# Altium PCB 400150.PcbDoc (part 3 of 4)
Units mm, origin at the board's own origin, x right, y up, seen from the top; angles counter-clockwise.
Board outline 101.6 x 63.5 mm, 4 copper layers (Top Layer, Mid-Layer 1, Mid-Layer 2, Bottom Layer), stack 1.49 mm thick; 241 components, 183 nets, 1094 pads, 1048 vias.
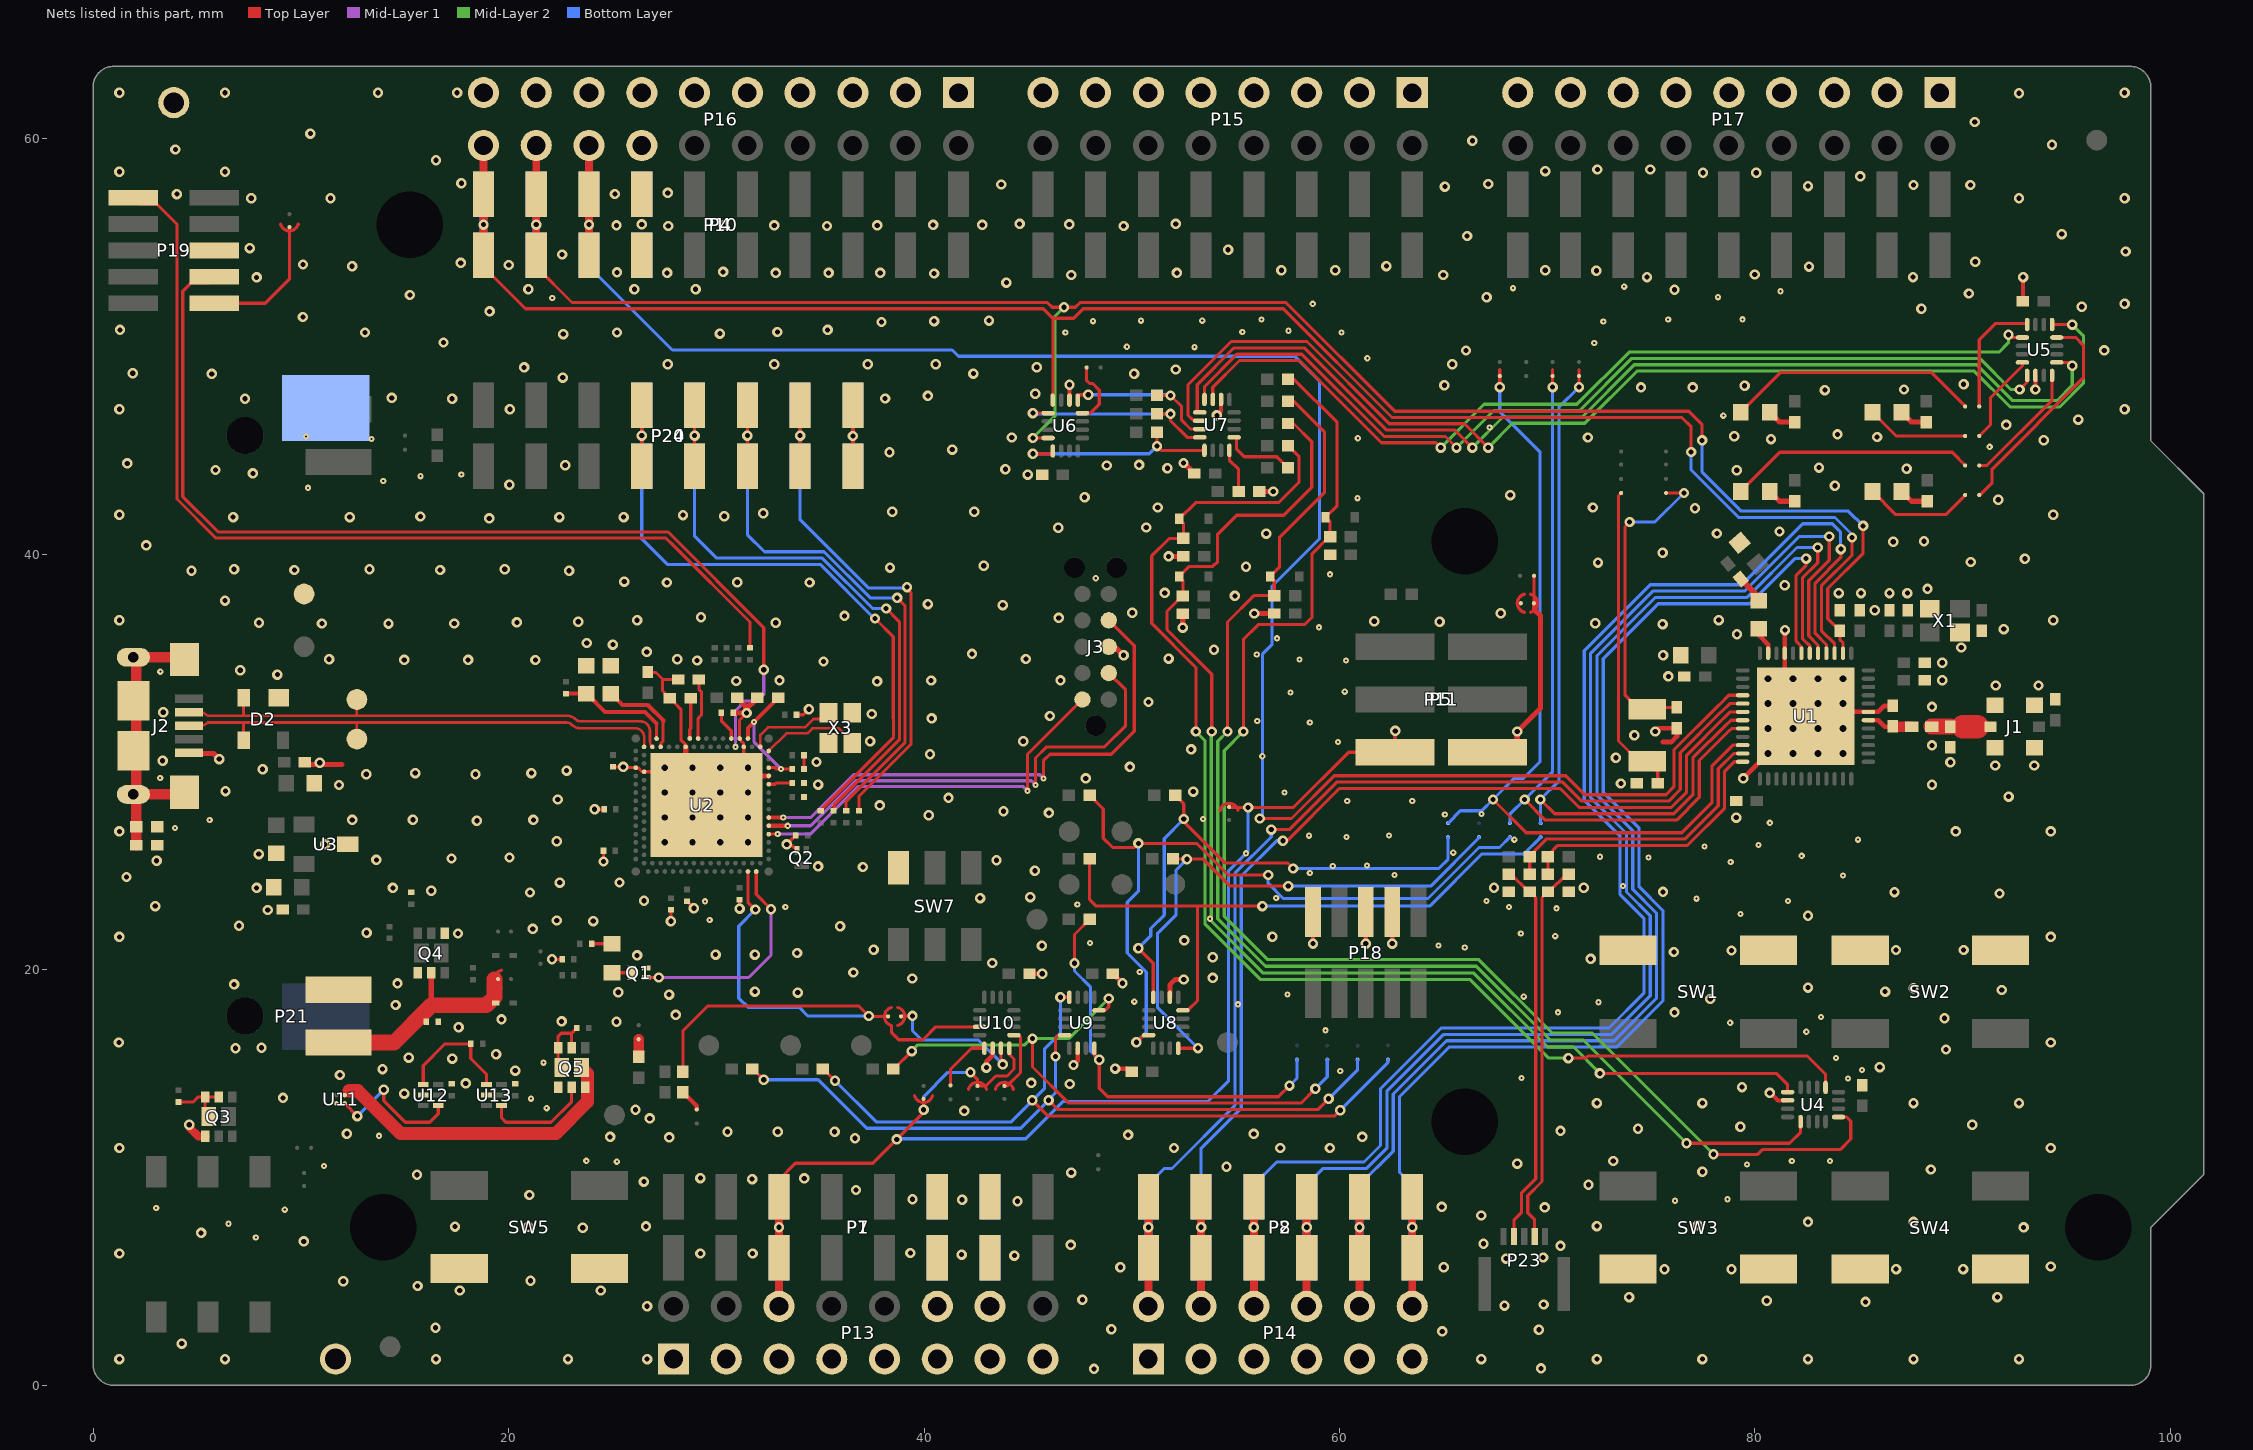
[diagram p5: the nets of this part, all layers, seen from the top]

## Via types
v1: diameter 0.5, hole 0.25, Top Layer to Bottom Layer, tented both sides, 864 vias
v2: diameter 0.3, hole 0.1, Top Layer to Mid-Layer 1, tented both sides, 152 vias
v3: diameter 0.61, hole 0.305, Top Layer to Bottom Layer, tented both sides, 16 vias
v4: diameter 0.66, hole 0.33, Top Layer to Bottom Layer, tented both sides, 16 vias

## Nets (pads, with @x,y where several pads share a name; then routed paths per layer and width w, separated by ;. In a path a pad name is that pad's centre, name@x,y a point inside that pad or via, vN(x,y) a via of type N, cw(c..) or ccw(c..) an arc to the next point about the centre after c; other vN are vias at no path point) (continued)
GND: Bat1.2 C1.2 C2.2 C3.1 C4.2 C5.2 C6.2 C7.2 C8.2 C9.2 C10.1 C11.1 C12.1 C13.2 C14.1 C15.2 C16.1 C17.1 C18.1 C19.1 C20.1 C21.1 C22.2 C23.2 C24.2 C25.2 C26.2 C27.1 C28.2 C29.2 C30.2 C31.2 C32.2 C33.1 C34.1 C35.2 C36.2 C37.2 C38.1 C42.2 C43.1 C44.1 C45.1 C46.1 C47.1 C48.2 C49.1 C50.1 C51.2 C52.2 C53.2 C54.1 C55.1 C56.1 C57.1 D2.1 J1.2 J2.5 J3.3 P1.6 P1.7 P4.7 P7.6 P7.7 P10.7 P13.1 P13.3 P13.5 P13.7 P13.9 P13.11 P13.12 P13.13 P13.14 P13.15 P14.1 P14.3 P14.5 P14.7 P14.9 P14.11 P15.1 P15.3 P15.5 P15.7 P15.9 P15.11 P15.13 P15.15 P16.1 P16.3 P16.5 P16.7 P16.9 P16.11 P16.13 P16.14 P16.15 P16.17 P16.19 P17.1 P17.3 P17.5 P17.7 P17.9 P17.11 P17.13 P17.15 P17.17 P18.3 P18.5 P18.9 P19.5 P21.1 Q1.2 Q2.2 Q3.1 Q4.1 Q4.4 Q5.1 R8.2 R10.1 R12.1 R22.1 R38.1 R45.2 R50.2 R51.2 SB18.1 SW1.1 SW2.1 SW3.1 SW4.1 SW5.1 SW7.4 TP4.1 TP12.1 TP13.1 U1.31 U1.45 U1.49 U2.104 U2.A25 U2.B12 U2.B26 U2.G1 U2.H2 U2.J31 U3.3 U4.6 U5.6 U6.6 U7.6 U8.6 U9.6 U10.6 U11.B1 U12.2 U13.2 X1.2 X1.4 X3.2 X3.4 | length 63.2
  Top Layer w0.152: v1(22.092,20.501) R45.2@22.578,20.501 ; v1(24.144,27.73) C23.2@24.598,27.73 ; v1@24.572,25.156 C24.2@24.572,25.73 ; C22.2@25.025,29.767 v1@25.481,29.767 ; v1@25.518,29.73 U2.G1@26.124,29.73 26.138,29.716 26.248,29.716 26.42,29.544 26.51,29.544 U2.H2@26.524,29.53 27.924,29.53 28.524,28.93 U2.104@29.524,27.93 30.924,29.33 31.324,29.73 U2.B26@31.324,30.73 31.314,30.74 31.314,30.897 31.211,31 31.211,31.014 31.138,31.086 31.138,31.116 U2.A25@31.124,31.13 31.124,32.023 v1(31.459,32.358) ; C33.1@26.709,34.333 26.731,34.311 27.098,34.311 27.412,33.997 ; v1(27.817,22.339) 27.82,22.341 R10.1@27.82,22.88 ; C34.1@28.164,33.97 27.439,33.97 27.412,33.997 ; U2.B12@28.524,30.73 28.51,30.744 28.51,30.853 28.296,31.067 28.296,32.543 27.991,32.848 27.991,32.898 27.817,33.072 C38.1@27.767,33.072 27.717,33.072 27.543,33.246 27.543,33.296 27.412,33.427 27.412,33.997 ; C25.2@28.593,23.293 28.608,23.293 28.667,23.234 28.667,23.219 v1(28.922,22.964) ; v1(31.124,22.945) C29.2@31.124,23.368 ; R22.1@33.824,26.468 33.824,26.453 33.765,26.394 33.75,26.394 v1(33.389,26.032) 33.455,25.966 33.664,25.966 33.76,25.87 33.835,25.87 33.884,25.821 Q2.2@33.884,25.746 ; C32.2@33.861,32.276 34.191,32.276 v1(34.458,32.543) ; C28.2@34.225,29.658 C31.2@34.225,30.326
  Top Layer w0.203: U6.6@47.003,47.422 v1(47.003,48.158) ; v1(54.1,46.685) 54.3,46.885 U7.6@54.3,47.453 ; v1(58.725,21.26) P18.9@58.725,22.772 ; v1(61.265,21.26) P18.5@61.265,22.772 ; v1(62.535,21.26) P18.3@62.535,22.772 ; v1(80.713,14.072) 80.741,14.072 81.1,13.713 U4.6@81.57,13.713 ; C45.1@92.896,52.172 v1@92.896,53.331 ; v1(93.497,47.93) 93.501,47.933 U5.6@93.501,48.61
  Top Layer w0.229: v1(43.002,15.291) 43.002,15.575 43.281,15.854 43.281,16.201 U10.6@43.304,16.225 ; C55.1@45.077,19.812 v1(45.695,19.812) ; v1(47.193,15.418) 47.396,15.621 U9.6@47.396,16.225 ; C54.1@49.09,19.812 49.094,19.816 v1(49.555,19.355) ; v1(49.2,15.24) 49.784,15.24 49.936,15.088 C14.1@49.995,15.088 ; U8.6@51.838,18.675 51.838,19.275 52.095,19.533 v1(52.502,19.533) ; v1(75.2,31.467) 75.36,31.627 C11.1@76.241,31.627 76.241,31.23 75.969,30.959 75.569,30.959 ; v1(79.438,29.211) 79.438,29.214 v4(80.635,30.411) U1.49@82.435,32.211 ; U1.49@81.435,34.411 U1.45@81.435,35.236 v1@81.435,36.352 ; U1.49@83.052,32.414 85.934,32.414 86.221,32.701 C3.1@86.634,32.701
  Top Layer w0.254: J2.5@4.746,30.44 4.746,30.406 5.803,30.406 v1(6.071,30.139) ; C21.1@10.193,29.987 10.193,29.886 11.966,29.886 ; U2.104@28.524,28.93 U2.B12@28.524,30.73 ; C37.2@30.815,32.376 30.815,32.366 30.823,32.358 v1(31.459,32.358) ; U2.104@30.924,29.33 U2.J31@32.524,29.33 ; C26.2@31.018,33.092 31.068,33.092 31.191,32.969 31.191,32.919 31.413,32.696 31.413,32.404 v1(31.459,32.358) ; C27.1@31.982,33.092 31.932,33.092 31.809,32.969 31.809,32.919 31.506,32.616 31.506,32.405 v1(31.459,32.358) ; J3.3@48.895,35.55 48.997,35.448 49.288,35.448 49.601,35.135 v1(49.606,35.135) ; v1(51.773,39.898) C48.2@52.484,39.898 ; v1(52.459,36.469) 52.459,37.127 C49.1@52.461,37.129 ; v1(52.492,44.393) 52.51,44.393 C47.1@53.018,43.885 ; v1(55.898,37.147) C50.1@56.861,37.147 ; R38.1@56.143,43.022 v1(56.81,43.022)
  Top Layer w0.381: v1(4.634,12.539) 4.634,12.412 5.071,11.975 Q3.1@5.406,11.975
  other v1: 48.184,0.787 69.698,0.813 1.27,1.26 6.35,1.26 16.51,1.26 22.86,1.26 26.67,1.26 66.827,1.26 72.39,1.26 77.47,1.26 82.55,1.26 87.63,1.26 92.71,1.26 4.267,2.007 64.948,2.591 69.596,2.667 49.022,2.692 16.485,2.769 26.67,3.8 67.945,3.835 69.825,3.886 85.319,4.013 80.569,4.064 47.625,4.115 73.939,4.242 91.669,4.242 17.653,4.562 24.435,4.562 15.621,4.775 12.04,5.004 21.057,5.029 75.642,5.581 78.867,5.581 86.792,5.592 90.018,5.592 49.454,5.679 65.017,5.679 94.234,5.715 68.021,6.096 69.799,6.147 44.348,6.238 41.808,6.289 1.27,6.34 29.235,6.34 31.75,6.34 39.345,6.365 70.637,6.706 47.066,6.756 66.929,6.807 10.142,6.926 5.203,7.336 23.571,7.584 92.928,7.598 20.951,7.628 17.424,7.635 26.619,7.645 72.39,7.661 77.254,7.709 82.55,7.864 87.63,7.864 66.827,8.169 69.875,8.56 64.922,8.585 44.501,8.854 41.834,8.931 39.446,8.956 21.006,9.159 36.728,9.398 71.984,9.652 26.518,9.804 31.725,9.921 34.239,9.957 29.235,9.972 15.596,10.135 47.092,10.236 77.47,10.278 88.465,10.386 54.559,10.516 68.555,10.668 73.177,10.795 1.27,11.42 52.032,11.42 57.15,11.42 59.538,11.42 94.234,11.42 36.678,11.887 27.738,11.93 24.891,11.956 61.098,11.956 49.823,12.051 55.873,12.099 12.221,12.106 30.541,12.2 32.96,12.2 35.697,12.2 70.637,12.243 74.371,12.344 79.299,12.446 90.458,12.537 26.801,12.844 41.935,13.208 26.111,13.259 72.39,13.579 77.47,13.579 87.63,13.579 92.71,13.579 9.144,13.832 14.98,14.037 79.375,14.351 47.015,14.503 17.938,14.528 45.161,14.554 11.883,14.936 20.32,15.144 13.935,15.216 86.004,15.316 17.29,15.722 15.193,15.774 19.402,15.93 89.194,16.162 6.858,16.225 8.108,16.241 1.245,16.5 94.234,16.5 17.596,17.235 22.553,17.512 25.196,17.501 19.66,17.612 89.12,17.668 28.053,17.828 76.124,17.95 14.564,18.303 77.851,18.593 27.731,18.805 33.924,18.902 25.279,18.919 31.858,18.948 86.263,18.949 91.881,19.023 87.63,19.116 82.55,19.141 6.792,19.294 14.656,19.345 39.436,19.58 53.899,19.609 36.602,19.869 43.289,20.326 72.085,20.523 53.899,20.599 26.189,20.69 29.967,20.729 31.858,20.729 33.891,20.807 76.098,20.853 78.867,20.93 37.572,20.965 86.789,20.948 90.04,20.948 45.672,21.156 52.527,21.412 1.27,21.58 56.769,21.59 94.234,21.58 17.566,21.748 13.17,21.782 21.166,21.966 35.961,22.097 7.026,22.12 24.076,22.343 22.323,22.371 82.55,22.596 8.407,22.875 2.999,23.063 26.52,23.317 42.701,23.45 45.11,23.495 91.772,23.669 21.036,23.718 75.573,23.749 86.716,23.739 16.281,23.802 14.433,23.938 7.874,23.942 67.437,23.952 71.755,23.952 22.467,24.193 25.342,24.202 1.611,24.467 45.339,24.765 37.059,24.946 34.9,24.978 24.572,25.213 3.058,25.245 13.638,25.287 43.489,25.272 17.257,25.357 20.047,25.405 7.976,25.568 11.171,26.032 22.323,26.19 1.27,26.66 89.662,26.66 94.234,26.66 18.475,27.175 12.473,27.213 21.196,27.213 15.399,27.225 79.099,27.324 40.229,27.434 46.012,27.549 43.824,27.627 37.869,27.91 22.367,28.194 41.176,28.274 92.209,28.337 52.955,28.576 6.375,28.6 11.84,28.895 34.9,28.914 88.519,28.906 73.546,28.963 47.788,29.211 13.147,29.411 18.412,29.411 15.512,29.466 21.102,29.466 22.797,29.587 8.16,29.652 25.518,29.765 49.91,29.765 91.567,29.835 93.447,29.835 10.915,29.964 34.824,30.003 89.408,29.987 3.348,30.061 73.304,30.201 40.287,30.376 52.857,30.607 88.519,30.8 37.407,31 44.781,31.004 74.193,31.293 40.367,32.098 46.06,32.216 37.488,32.31 3.375,32.391 88.519,32.654 50.805,32.89 91.589,33.684 93.647,33.684 37.74,33.882 30.958,33.902 33.043,33.928 40.343,33.926 46.571,33.928 89.013,33.938 75.831,34.122 8.872,34.206 7.087,34.417 89.013,34.777 35.161,34.839 29.078,34.887 14.98,34.914 18.054,34.914 21.293,34.91 11.365,34.95 28.124,34.95 44.905,34.959 51.773,34.976 75.577,35.138 42.309,35.205 26.656,35.3 53.957,35.408 89.928,35.513 25.025,35.65 23.768,35.727 79.133,36.153 81.444,36.352 91.973,36.398 75.551,36.64 14.224,36.664 11.014,36.668 17.39,36.668 72.314,36.678 7.986,36.704 32.864,36.704 20.403,36.721 23.353,36.747 64.821,36.754 61.671,36.779 1.27,36.82 26.189,36.82 78.257,36.83 94.361,36.82 46.484,36.936 29.262,36.964 36.174,37.034 67.759,37.16 50.022,37.186 85.762,37.309 43.79,37.551 40.185,37.599 6.35,37.77 54.966,37.998 51.587,38.139 84.035,38.13 85.102,38.13 86.473,38.13 87.337,38.13 88.302,38.333 81.432,38.506 27.625,38.639 34.492,38.639 31.014,38.651 25.572,38.684 4.739,39.207 22.914,39.207 9.691,39.242 16.708,39.242 6.792,39.276 13.309,39.276 19.815,39.276 38.362,39.36 55.499,39.395 42.875,39.444 72.441,39.599 90.385,39.628 92.992,39.783 75.551,40.069 2.565,40.427 86.651,40.603 88.138,40.63 56.472,40.996 78.168,41 81.178,41.097 46.464,41.275 50.698,41.29 19.072,41.725 6.742,41.79 12.361,41.79 22.447,41.79 25.54,41.79 15.758,41.817 30.386,41.834 28.396,41.887 1.27,41.9 94.361,41.9 32.26,41.976 38.468,42.043 42.42,42.043 77.114,42.215 51.248,42.254 72.199,42.254 91.71,42.621 47.729,42.748 68.216,42.85 83.845,43.297 20.041,43.348 44.991,43.835 7.696,43.891 79.121,44.044 5.893,44.059 43.917,44.094 87.3,44.12 51.714,44.145 83.083,44.171 48.796,44.272 22.733,44.287 50.351,44.3 1.646,44.373 38.339,44.912 41.362,45.038 93.896,45.491 80.772,45.542 44.221,45.618 71.958,45.618 85.877,45.644 79.006,45.683 83.973,45.771 92.096,46.227 95.56,46.483 1.27,46.98 20.066,46.98 97.79,46.98 7.315,47.488 17.283,47.488 38.125,47.498 14.383,47.525 40.185,47.623 45.356,47.729 83.363,47.904 87.173,47.93 74.516,48.031 77.005,48.031 79.502,48.108 65.049,48.133 90.043,48.184 22.606,48.504 5.715,48.682 42.377,48.696 50.114,48.692 1.908,48.713 52.121,48.895 20.752,48.997 45.428,49.002 27.661,49.149 32.791,49.149 37.287,49.149 40.564,49.149 65.43,49.149 66.091,49.809 96.814,49.815 16.867,50.192 22.631,50.597 30.175,50.622 13.09,50.673 25.222,50.673 32.944,50.698 1.295,50.8 35.357,50.8 37.955,51.181 40.488,51.222 43.126,51.246 10.101,51.419 19.088,51.69 88.011,51.816 95.728,51.918 97.79,52.06 67.081,52.375 15.254,52.482 90.297,52.553 76.124,52.73 20.955,52.756 26.06,52.756 29.007,52.756 43.967,53.076 7.874,53.33 74.803,53.34 87.605,53.34 92.905,53.34 47.092,53.442 64.999,53.442 79.985,53.467 40.488,53.518 27.635,53.543 32.868,53.543 35.408,53.543 37.897,53.543 52.172,53.543 25.222,53.569 30.328,53.594 72.365,53.645 57.201,53.67 59.792,53.67 69.901,53.67 82.601,53.848 12.471,53.863 62.255,53.873 20.015,53.924 10.109,53.95 17.704,54.026 90.602,54.077 22.581,54.432 97.841,54.575 54.635,54.661 7.544,54.737 66.142,55.321 94.768,55.411 27.686,55.804 35.331,55.804 49.606,55.804 25.197,55.829 30.328,55.829 32.791,55.829 37.744,55.829 40.437,55.855 42.799,55.855 26.416,55.88 46.99,55.88 44.602,55.905 52.121,55.905 7.62,57.14 11.43,57.14 92.71,57.14 97.79,57.14 4.037,57.335 25.121,57.343 27.661,57.394 65.075,57.699 82.55,57.724 87.63,57.775 90.368,57.775 43.713,57.8 67.158,57.826 17.729,57.861 85.065,58.191 77.495,58.369 80.061,58.369 1.27,58.41 6.35,58.41 69.901,58.445 72.415,58.522 74.955,58.522 16.51,58.969 3.962,59.487 94.296,59.715 66.396,59.908 10.465,60.249 90.576,60.808 92.71,62.194 1.27,62.22 6.35,62.22 13.716,62.22 17.526,62.22 97.79,62.22
  other v2: 7.834,7.117 6.52,7.775 9.226,8.453 3.037,8.534 76.153,8.88 78.683,8.953 11.123,10.554 79.61,10.627 25.215,10.762 23.745,10.802 81.773,10.789 83.612,10.789 13.768,12.006 21.836,13.336 21.08,13.794 84.48,14.771 68.758,14.793 60.035,15.12 85.153,15.179 21.688,15.529 83.904,15.748 82.473,17.014 59.328,17.085 78.805,17.449 83.177,17.73 70.518,17.95 55.116,18.334 72.47,18.435 50.124,18.465 68.871,18.704 57.495,18.811 50.383,19.896 66.03,21.067 64.767,21.173 47.99,21.284 70.385,21.617 68.727,21.745 29.683,22.397 53.765,22.457 79.301,22.681 70.444,22.957 33.323,23.019 68.156,23.019 47.378,23.144 29.462,23.293 67.078,23.316 81.583,23.316 77.188,23.42 56.951,23.45 73.645,24.036 84.235,24.536 62.654,24.566 58.572,24.662 59.675,24.992 61.321,25.022 78.83,25.192 74.878,25.408 72.536,25.441 82.247,25.486 55.503,25.603 65.474,25.637 77.571,25.932 80.174,26.011 68.416,26.263 84.958,26.263 60.337,26.394 58.532,26.453 62.384,26.468 3.94,26.823 80.713,27.074 5.615,27.213 53.43,27.255 65.071,27.471 66.83,27.497 60.374,28.118 63.5,28.128 57.353,28.53 3.232,29.225 56.286,30.276 59.933,30.97 58.572,31.904 56.04,31.973 57.645,33.348 60.253,33.387 3.237,34.348 60.315,34.884 58.07,34.931 56.016,35.175 56.994,35.954 59.013,36.483 48.266,38.845 59.548,39.034 60.861,42.699 10.353,43.198 13.971,43.524 15.758,43.76 17.729,43.84 91.298,45.172 13.4,45.555 60.884,45.583 10.245,45.668 67.23,46.098 78.478,46.671 61.338,49.436 53.018,49.967 49.764,49.989 72.263,50.175 46.803,50.679 60.092,50.679 55.322,50.698 57.551,50.76 72.698,51.203 48.136,51.222 50.444,51.246 53.393,51.246 56.244,51.307 75.822,51.307 79.401,51.308 58.712,52.055 22.104,52.335 78.224,52.375 81.229,52.659 68.35,52.808 73.704,52.881
  other v3: 27.524,26.13 28.858,26.13 30.191,26.13 31.524,26.13 27.524,27.33 28.858,27.33 30.191,27.33 31.524,27.33 27.524,28.53 28.858,28.53 30.191,28.53 31.524,28.53 27.524,29.73 28.858,29.73 30.191,29.73 31.524,29.73
  other v4: 81.835,30.411 83.035,30.411 84.235,30.411 80.635,31.611 81.835,31.611 83.035,31.611 84.235,31.611 80.635,32.811 81.835,32.811 83.035,32.811 84.235,32.811 80.635,34.011 81.835,34.011 83.035,34.011 84.235,34.011
IMCU_BOOT: R55.2 SB45.2 U2.AL27 U10.3 | length 30.8
  Top Layer w0.152: R55.2@28.396,15.101 28.396,17.062 29.589,18.255 36.86,18.255 v1(37.34,17.775) v1@37.36,17.755 ; U2.AL27@31.524,24.73 31.524,23.259 v1(31.882,22.901) ; v1@37.407,17.708 v1@37.36,17.755 ; SB45.2@38.27,17.755 38.096,17.755 v1@37.36,17.755 ; 38.43,17.324 38.43,16.985 38.783,16.632 39.949,16.632 40.567,17.25 U10.3@42.679,17.25
  Bottom Layer w0.152: v1(31.882,22.901) 31.082,22.1 31.082,18.635 31.53,18.186 34.001,18.186 34.412,17.775 v1(37.34,17.775)
IMCU_LED: Q1.1 U2.AL29 | length 10.8
  Top Layer w0.152: Q1.1@26.628,19.628 v1(27.232,19.628) ; U2.AL29@31.924,24.73 31.924,23.626 v1(32.634,22.916)
  Mid-Layer 1 w0.152: v1(27.232,19.628) 31.557,19.628 32.634,20.705 v1(32.634,22.916)
IMCU_N: D2.2 J2.2 TP2.1 U2.B4 | length 25
  Top Layer w0.125: J2.2@4.619,32.39 5.126,32.39 cw(c5.126,31.835) 5.519,32.227 ; 5.519,32.227 7.244,32.227 ; D2.2@7.244,33.095 7.244,32.227 ; TP2.1@12.7,33.01 12.7,32.227 ; U2.B4@26.924,30.75 U2.B4@26.924,30.73 cw(c27.202,31.007) 26.809,31.007 26.809,31.495 ccw(c26.349,31.495) 26.349,31.955 23.434,31.955 cw(c23.434,32.187) 23.271,32.023 ccw(c22.778,31.53) 22.778,32.227 12.7,32.227 ; 7.244,32.227 12.7,32.227
IMCU_P: D2.3 J2.3 TP1.1 U2.B2 | length 24.4
  Top Layer w0.125: J2.3@4.619,31.74 5.126,31.74 ccw(c5.126,32.295) 5.519,31.902 7.244,31.902 ; D2.3@7.244,31.045 7.244,31.902 ; TP1.1@12.7,31.105 12.7,31.902 ; U2.B2@26.524,30.73 26.524,31.084 cw(c26.674,31.083) 26.525,31.095 ccw(c26.124,31.13) 26.525,31.165 cw(c26.674,31.177) 26.524,31.176 ; 26.524,31.176 26.524,31.204 ccw(c26.099,31.204) 26.099,31.63 23.435,31.63 cw(c23.435,32.188) 23.041,31.793 ccw(c22.778,31.53) 22.778,31.902 12.7,31.902 ; 7.244,31.902 12.7,31.902
IMCU_RESET: J3.10 U2.AC31 | length 19
  Top Layer w0.152: U2.AC31@32.524,26.53 v2(32.955,26.53) ; v2(44.983,28.614) 44.983,30.368 J3.10@47.625,33.01
  Mid-Layer 1 w0.152: v2(32.955,26.53) 34.533,26.53 36.817,28.814 44.783,28.814 v2(44.983,28.614)
IMCU_SWDCLK: J3.4 U2.W31 | length 25.8
  Top Layer w0.152: v2(45.745,29.211) 45.745,30.052 46.067,30.374 49.016,30.374 50.117,31.474 50.117,35.598 J3.4@48.895,36.82
  Top Layer w0.2: U2.W31@32.524,27.33 v2(33.222,27.33)
  Mid-Layer 1 w0.152: v2(33.222,27.33) 34.549,27.33 36.608,29.389 45.568,29.389 v2(45.745,29.211)
IMCU_SWDIO: J3.2 U2.AA31 | length 23
  Top Layer w0.152: v2(45.369,28.898) 45.369,30.195 45.904,30.73 48.685,30.73 49.702,31.747 49.702,33.473 J3.2@48.895,34.28
  Top Layer w0.2: U2.AA31@32.524,26.93 v2(33.44,26.93) v2@33.477,26.93
  Mid-Layer 1 w0.152: v2(33.44,26.93) 34.541,26.93 36.706,29.096 45.171,29.096 v2(45.369,28.898)
INT_EXT: R31.1 U6.5 U7.11 | length 7.8
  Top Layer w0.152: U6.5@47.403,47.422 47.403,47.58 47.498,47.676 v1(47.904,47.676) ; R31.1@51.214,47.645 v1(51.865,47.645) 52.399,47.111 52.399,46.457 52.827,46.028 U7.11@53.275,46.028
  Bottom Layer w0.152: v1(47.904,47.676) 51.834,47.676 v1(51.865,47.645)
LED1': SB5.1 U5.16 | length 5.8
  Top Layer w0.152: SB5.1@90.792,47.117 90.792,50.33 91.567,51.105 U5.16@93.091,51.105
LED1_EXT: U5.1 U7.7 | length 44.3
  Top Layer w0.152: U7.7@53.9,47.453 53.9,48.041 55.186,49.327 58.057,49.327 62.019,45.364 64.643,45.364 v1(64.872,45.136) ; v1(92.201,50.571) 92.337,50.435 U5.1@92.876,50.435
  Mid-Layer 2 w0.152: v1(64.872,45.136) 66.954,47.219 71.425,47.219 73.939,49.733 91.745,49.733 92.196,50.184 v1@92.196,50.522
LED2': SB6.1 U5.4 | length 4.4
  Top Layer w0.152: SB6.1@90.792,45.695 91.338,46.241 91.338,47.541 92.876,49.079 U5.4@92.876,49.235
LED2_EXT: U5.5 U7.8 | length 45.6
  Top Layer w0.152: U7.8@53.5,47.453 53.5,48.073 55.059,49.632 58.183,49.632 62.146,45.669 65.1,45.669 v1(65.634,45.136) ; v1(92.735,47.93) 93.101,48.295 U5.5@93.101,48.61
  Mid-Layer 2 w0.152: v1(65.634,45.136) 67.412,46.914 71.551,46.914 74.066,49.428 90.81,49.428 92.309,47.93 v1(92.735,47.93)
LED3': SB7.1 U5.8 | length 6
  Top Layer w0.152: SB7.1@90.792,44.272 91.161,44.272 94.301,47.412 U5.8@94.301,48.61
LED3_EXT: U5.9 U7.9 | length 50.6
  Top Layer w0.152: U7.9@53.15,46.832 53.15,48.164 54.923,49.936 58.309,49.936 62.272,45.974 65.557,45.974 v1(66.396,45.136) ; U5.9@94.526,49.235 95.113,49.235 v1(95.275,49.073)
  Mid-Layer 2 w0.152: v1(66.396,45.136) 67.869,46.609 71.677,46.609 74.192,49.124 90.684,49.124 92.411,47.396 94.539,47.396 95.275,48.133 v1(95.275,49.073)
LED4': SB8.1 U5.12 | length 10.7
  Top Layer w0.152: SB8.1@90.817,42.838 91.415,43.436 91.415,44.095 95.809,48.489 95.809,50.063 95.437,50.435 U5.12@94.526,50.435
LED4_EXT: U5.13 U7.10 | length 54.9
  Top Layer w0.152: U7.10@53.275,46.428 52.982,46.428 52.703,46.706 52.703,48.149 54.796,50.241 58.436,50.241 62.398,46.279 66.015,46.279 v1(67.158,45.136) ; U5.13@94.301,51.06 v1@95.27,51.06
  Mid-Layer 2 w0.152: v1(67.158,45.136) 68.326,46.304 71.804,46.304 74.318,48.819 90.557,48.819 92.285,47.092 94.665,47.092 95.809,48.235 95.809,50.521 v1(95.275,51.054)
NetC3_2: C3.2 L1.1 U1.30 | length 2.2
  Top Layer w0.229: U1.30@85.46,32.011 85.935,32.011 86.245,31.701 C3.2@86.634,31.701
  Top Layer w0.508: C3.2@86.626,31.706 L1.1@87.523,31.706
NetC11_2: C11.2 SB2.1 X2.1 | length 15.3
  Top Layer w0.152: v1(73.965,41.554) 73.748,41.338 73.748,33.211 74.421,32.539 X2.1@74.819,32.539 74.907,32.627 C11.2@76.241,32.627 ; SB2.1@75.717,42.951 v1(76.581,42.951)
  Bottom Layer w0.152: v1(73.965,41.554) 75.184,41.554 v1(76.581,42.951)
NetC12_2: C12.2 SB1.1 X2.2 | length 15
  Top Layer w0.152: SB1.1@73.558,42.951 73.431,42.824 73.431,31.013 74.406,30.039 X2.2@74.819,30.039 75.319,29.539 C12.2@75.319,28.977
NetC19_2: C19.2 J2.6@1.944,28.44 J2.6@1.944,30.54 J2.6@1.944,32.94 J2.6@1.944,35.04 J2.6@4.394,28.54 J2.6@4.394,34.94 R12.2 | length 14
  Top Layer w0.508: C19.2@2.087,25.999 2.087,28.424 J2.6@2.071,28.44 ; J2.6@4.521,28.54 4.421,28.44 J2.6@2.071,28.44 ; J2.6@4.521,34.94 4.421,35.04 2.071,35.04 2.071,32.94 2.071,30.54 J2.6@2.071,28.44
NetC27_2: C27.2 C28.1 U2.A27 U2.G31 | length 6.6
  Top Layer w0.152: U2.G31@32.524,29.73 32.824,29.73 32.896,29.658 v2(33.12,29.658) C28.1@33.655,29.658
  Top Layer w0.2: U2.A27@31.524,31.13 31.524,31.634 v2(31.819,31.929) 32.782,32.892 32.782,32.942 32.932,33.092 C27.2@32.982,33.092
  Mid-Layer 1 w0.152: v2(31.819,31.929) 31.819,30.958 v2(33.12,29.658)
NetC34_2: C34.2 U2.A15 | length 3
  Top Layer w0.152: U2.A15@29.124,31.13 29.124,32.102 29.283,32.261 29.283,33.39 29.164,33.51 C34.2@29.164,33.97
NetC35_1: C35.1 R9.2 U2.A5 | length 5.7
  Top Layer w0.15: U2.A5@27.124,31.13 27.124,31.856
  Top Layer w0.203: R9.2@22.761,33.293 23.738,33.293 C35.1@23.746,33.285 23.771,33.285 24.642,32.414 26.567,32.414 27.124,31.856
NetC36_1: C36.1 U2.B6 | length 4.4
  Top Layer w0.152: U2.B6@27.324,30.73 27.335,30.74 27.335,30.897 27.438,31 27.438,31.962
  Top Layer w0.203: C36.1@24.915,33.285 24.94,33.285 25.483,32.742 26.658,32.742 26.703,32.742 27.452,31.992 27.452,31.962 27.438,31.962
NetC37_1: C37.1 U2.A23 | length 1.4
  Top Layer w0.152: C37.1@30.245,32.376 30.245,31.985 30.724,31.505 U2.A23@30.724,31.13
NetC38_2: C38.2 U2.A13 | length 2
  Top Layer w0.152: U2.A13@28.724,31.13 28.724,31.57 28.767,31.613 C38.2@28.767,33.072
NetD3_1: D3.1 R33.1 R40.2 U4.1 | length 63.7
  Top Layer w0.152: v1(53.086,31.471) 53.086,34.551 50.96,36.677 50.96,39.923 51.798,40.761 52.484,40.761 52.484,41.507 D3.1@52.29,41.701 53.077,42.488 57.064,42.488 58.055,43.479 58.055,44.694 R33.1@57.521,45.228 ; v1(71.018,15.748) 71.857,15.748 71.958,15.85 82.517,15.85 83.395,14.971 U4.1@83.395,14.338
  Mid-Layer 2 w0.152: v1(53.086,31.471) 53.521,31.036 53.521,22.218 56.212,19.527 66.3,19.527 70.079,15.748 v1(71.018,15.748)
NetD4_1: D4.1 R34.1 R41.2 U4.5 | length 61.9
  Top Layer w0.152: R41.2@52.445,38 51.697,37.252 51.697,36.372 53.848,34.221 v1(53.848,31.471) ; R41.2@52.461,37.993 52.461,38.764 D4.1@52.292,38.932 52.775,39.415 53.907,39.415 54.135,39.644 54.135,40.964 55.05,41.879 57.323,41.879 58.664,43.22 58.664,45.414 57.784,46.295 R34.1@57.521,46.295 ; v1(72.536,15.011) 81.026,15.011 81.57,14.467 U4.5@81.57,14.113
  Mid-Layer 2 w0.152: v1(53.848,31.471) 53.826,31.448 53.826,22.344 56.33,19.84 66.459,19.84 70.013,16.286 71.262,16.286 v1(72.536,15.011)
NetD5_1: D5.1 R35.1 R42.2 U4.9 | length 61.9
  Top Layer w0.152: v1(54.61,31.471) 54.61,36.742 55.879,38.01 R42.2@56.861,38.01 56.861,38.732 D5.1@56.661,38.932 57.107,39.378 57.107,40.8 59.274,42.967 59.274,45.891 57.804,47.361 R35.1@57.521,47.361 ; v1(76.705,11.65) 76.706,11.649 81.661,11.649 82.195,12.183 U4.9@82.195,12.688
  Mid-Layer 2 w0.152: v1(54.61,31.471) 54.143,31.004 54.143,22.458 56.436,20.165 66.589,20.165 70.137,16.618 71.739,16.618 v1(76.705,11.65) v1(76.705,11.65)
NetD6_1: D6.1 R36.1 R43.2 U4.13 | length 67.4
  Top Layer w0.152: v1(55.372,31.471) 55.372,35.897 56.089,36.613 58.313,36.613 58.682,36.982 58.682,40.03 R43.2@59.469,40.818 ; R36.1@57.521,48.428 57.804,48.428 59.884,46.348 59.884,42.339 D6.1@59.328,41.783 59.548,41.563 R43.2@59.548,40.835 ; v1(78.001,11.115) 80.128,11.115 80.357,11.344 84.1,11.344 84.608,11.852 84.608,12.716 84.411,12.913 U4.13@84.02,12.913
  Mid-Layer 2 w0.152: v1(55.372,31.471) 54.448,30.547 54.448,22.584 56.543,20.489 66.71,20.489 70.244,16.954 72.164,16.954 v1@78.001,11.118
NetD7_2: D7.2 P21.2 Q4.5 R51.1 SB12.2 | length 10.8
  Top Layer w0.254: 16.281,18.288 Q4.5@16.281,19.853
  Top Layer w0.762: P21.2@11.811,16.5 14.493,16.5 16.281,18.288 18.923,18.288 19.325,18.69 19.325,19.538
NetL2_1: L2.1 L3.2 | length 1.4
  Top Layer w0.279: L3.2@79.312,38.812 80.174,37.95 L2.1@80.174,37.768
NetL2_2: L2.2 U1.47 | length 1.4
  Top Layer w0.229: L2.2@80.174,36.418 80.174,36.117 80.635,35.656 U1.47@80.635,35.236
NetLED1_1: LED1.1 SB5.2 | length 12.3
  Top Layer w0.152: LED1.1@79.312,46.837 81.217,48.742 88.504,48.742 SB5.2@90.13,47.117
NetLED1_2: LED1.2 R1.1 | length 1.4
  Top Layer w0.254: LED1.2@80.709,46.837 81.183,46.363 R1.1@81.915,46.363
NetLED2_1: LED2.1 SB6.2 | length 4.9
  Top Layer w0.152: LED2.1@85.655,46.838 86.798,45.695 SB6.2@90.117,45.695
NetLED2_2: LED2.2 R2.1 | length 1.4
  Top Layer w0.254: LED2.2@87.052,46.838 87.527,46.363 R2.1@88.227,46.363
NetLED3_1: LED3.1 SB7.2 | length 11.9
  Top Layer w0.152: LED3.1@79.293,43.002 81.198,44.907 89.482,44.907 ; 89.495,44.907 SB7.2@90.13,44.272
NetLED3_2: LED3.2 R3.1 | length 1.4
  Top Layer w0.254: LED3.2@80.702,43.028 81.177,42.553 R3.1@81.902,42.553
NetLED4_1: LED4.1 SB8.2 | length 5.3
  Top Layer w0.152: LED4.1@85.662,43.027 86.779,41.91 89.177,41.91 ; 89.19,41.91 SB8.2@90.13,42.85
NetLED4_2: LED4.2 R4.1 | length 1.4
  Top Layer w0.254: LED4.2@87.059,43.027 87.533,42.553 R4.1@88.278,42.553
NetLED5_1: LED5.1 Q1.3 | length 1
  Top Layer w0.152: LED5.1@24.972,19.853 Q1.3@25.928,19.853
NetLED5_2: LED5.2 R16.1 | length 1
  Top Layer w0.152: R16.1@24.003,21.25 LED5.2@24.972,21.25
NetP1_3: P1.3 P5.5 P7.3 P11.5 P13.6 SB17.1 SB42.2 SB43.1 U10.8 | length 67.2
  Top Layer w0.152: P1.3@33.02,9.075 33.02,9.896 33.807,10.683 37.531,10.683 v1(38.684,11.836) ; v1@38.659,11.836 v1(38.684,11.836) ; SB42.2@39.98,13.785 39.98,13.61 v1(39.98,13.259) 39.98,13.132 v1(38.684,11.836) ; v1(42.24,15.062) 42.57,14.732 42.57,14.584 SB43.1@42.57,14.409 42.924,14.409 42.984,14.409 43.461,14.886 43.998,14.886 44.334,15.223 44.334,15.704 44.104,15.934 U10.8@44.104,16.225 ; SB17.1@54.712,27.813 55.057,27.813 v1(55.601,27.813) 57.782,27.813 60.439,30.47 P5.5@62.675,30.47 ; P5.5@62.679,30.475 v1(62.679,31.496)
  Top Layer w0.381: P13.6@33.02,3.8 P1.3@33.02,6.145 v1(33.02,7.61) P1.3@33.02,9.075
  Bottom Layer w0.152: v1(38.684,11.836) 38.71,11.862 44.9,11.862 46.703,13.665 53.67,13.665 54.661,14.656 54.661,24.773 55.601,25.713 v1(55.601,27.813) ; v1(39.98,13.259) 39.98,13.894 41.148,15.062 v1(42.24,15.062) ; P11.5@62.679,30.47 v1(62.679,31.496)
  Bottom Layer w0.381: P7.3@33.02,6.145 v1(33.02,7.61) P7.3@33.02,9.075
NetP5_6: P5.6 P11.6 SB18.2 SB19.1 | length 10.1
  Top Layer w0.152: SB18.2@69.367,37.577 69.367,37.988 SB19.1@69.367,38.964
  Top Layer w0.254: P5.6@68.555,30.521 v1(68.555,31.471) 69.672,32.588 69.672,37.041 69.393,37.32 69.393,37.551 69.484,37.643
  Bottom Layer w0.254: P11.6@68.555,30.521 v1(68.555,31.471)
NetP19_1: P19.1 SB32.2 | length 6.6
  Top Layer w0.152: P19.1@5.836,52.085 8.295,52.085 9.449,53.239 9.449,55.571 SB32.2@9.449,55.745
NetP20_4: P20.4 P24.4 R17.2 | length 33.3
  Top Layer w0.152: P20.4@26.416,44.245 v1(26.416,45.71) P20.4@26.416,47.175 ; R17.2@35.024,27.649 35.039,27.649 35.097,27.708 35.097,27.749 38.538,31.19 38.538,32.074 38.515,32.096 38.515,36.037 v1(37.643,36.91)
  Bottom Layer w0.152: P24.4@26.416,47.175 v1(26.416,45.71) P24.4@26.416,44.245 26.416,40.742 27.646,39.512 35.009,39.512 37.611,36.91 v1(37.643,36.91)
NetP20_5: P20.5 P24.5 R19.2 | length 31.2
  Top Layer w0.152: P20.5@28.956,44.245 v1(28.956,45.71) P20.5@28.956,47.175 ; R19.2@35.637,27.649 35.652,27.649 35.664,27.661 35.664,27.924 38.815,31.075 38.815,36.747 v1(38.174,37.389)
  Bottom Layer w0.152: P24.5@28.956,47.175 v1(28.956,45.71) P24.5@28.956,44.245 28.956,40.871 29.999,39.828 35.086,39.828 37.525,37.389 v1(38.174,37.389)
NetP20_6: P20.6 P24.6 R20.2 | length 29.2
  Top Layer w0.152: P20.6@31.496,44.245 v1(31.496,45.71) P20.6@31.496,47.175 ; R20.2@36.251,27.649 36.251,28.118 39.093,30.96 39.093,37.513 v1(38.704,37.901)
  Bottom Layer w0.152: P24.6@31.496,47.175 v1(31.496,45.71) P24.6@31.496,44.245 31.496,40.948 32.322,40.122 35.183,40.122 37.404,37.901 v1(38.704,37.901)
NetP20_7: P20.7 P24.7 R21.2 | length 26.8
  Top Layer w0.152: P20.7@34.036,44.245 v1(34.036,45.71) P20.7@34.036,47.175 ; R21.2@36.865,27.649 36.865,28.34 39.37,30.845 39.37,38.165 39.179,38.357 v1(39.179,38.419)
  Bottom Layer w0.152: P24.7@34.036,47.175 v1(34.036,45.71) P24.7@34.036,44.245 34.036,41.662 37.316,38.382 39.142,38.382 v1(39.179,38.419)
NetP20_8: P20.8 P24.8 | length 5.9
  Top Layer w0.2: P20.8@36.576,44.245 P20.8@36.576,47.175
  Bottom Layer w0.2: P24.8@36.576,44.245 P24.8@36.576,47.175
  other v1: 36.576,45.692
NetQ3_5: Q3.5 Q3.6 R60.2 | length 3
  Top Layer w0.152: R60.2@4.115,13.634 4.82,13.634 5.065,13.879 Q3.5@6.045,13.879 ; Q3.6@5.395,13.874 5.395,13.104 Q3.6@5.57,12.929
NetQ5_2: Q5.2 U13.4 | length 5.2
  Top Layer w0.152: U13.4@19.667,13.47 19.667,12.864 19.873,12.657 22.045,12.657 23.038,13.65 Q5.2@23.038,14.346
NetQ5_3: Q5.3 U11.A2 | length 14.7
  Top Layer w0.635: 12.319,14.173 12.749,14.173 14.811,12.111 22.271,12.111 23.8,13.64 23.8,15.004 Q5.3@23.513,15.291
NetQ5_5: Q5.5 Q5.6 R48.2 | length 3.4
  Top Layer w0.152: Q5.6@22.563,15.291 22.388,15.466 Q5.6@22.388,16.236 22.388,16.8 22.535,16.947 23.038,16.947 ; Q5.5@23.038,16.236 23.038,16.947 ; R48.2@23.286,17.196 23.038,16.947
NetR7_1: R7.1 SB24.1 U8.16 | length 27.7
  Top Layer w0.152: R7.1@51.986,25.349 52.011,25.324 v1(52.655,25.324) 53.443,25.324 54.738,24.028 v1(57.531,24.028) ; U8.16@52.238,16.225 53.182,16.225 v1(53.188,16.231)
  Bottom Layer w0.152: v1(52.655,25.324) 52.133,24.802 52.133,22.644 51.232,21.742 51.232,18.186 v1(53.188,16.231) ; v1(57.531,24.028) 64.393,24.028 66.713,26.348 SB24.1@66.713,26.382
NetR8_1: R8.1 U2.L31 | length 1.2
  Top Layer w0.152: U2.L31@32.524,28.93 32.824,28.93 32.884,28.989 R8.1@33.655,28.989
NetR18_1: R18.1 SB22.1 U8.4 | length 30.6
  Top Layer w0.152: R18.1@47.973,25.349 47.973,23.376 48.285,23.063 53.162,23.063 ; U8.4@52.463,18.05 52.695,18.05 53.162,18.517 53.162,23.063 ; v1(56.286,23.063) 53.162,23.063
  Bottom Layer w0.152: v1(56.286,23.063) 64.338,23.063 66.849,25.574 68.877,25.574 SB22.1@69.685,26.382
NetR32_1: R32.1 U7.1 | length 3.4
  Top Layer w0.152: U7.1@55.039,45.634 55.039,45.077 55.421,44.694 56.988,44.694 R32.1@57.521,44.161 R32.1@57.551,44.161
NetR37_1: R37.1 R38.2 U7.16 | length 2.2
  Top Layer w0.152: U7.16@54.7,45.003 54.7,44.526 55.143,44.083 R37.1@55.143,43.022
NetR49_2: R49.2 U12.1 U13.1 | length 5.9
  Top Layer w0.152: U12.1@15.893,14.47 15.893,15.385 16.942,16.434 R49.2@18.181,16.434 18.181,15.728 18.941,14.968 U13.1@18.941,14.47
NetR52_1: R52.1 SB21.1 U9.4 | length 36
  Top Layer w0.152: R52.1@31.742,15.223 31.767,15.223 v1(32.283,14.707) ; v1(45.999,13.716) 46.45,13.266 58.949,13.266 v1(59.476,13.792) ; v1(46.33,15.824) 46.33,16.706 46.473,16.85 U9.4@46.771,16.85
  Bottom Layer w0.152: v1(32.283,14.707) 34.9,14.707 37.236,12.37 44.653,12.37 v1(45.999,13.716) ; v1@45.987,13.729 46.33,14.072 v1(46.33,15.824) ; v1(59.476,13.792) 60.872,15.188 SB21.1@60.872,15.674
NetR53_1: R53.1 SB26.1 U9.8 | length 20.5
  Top Layer w0.152: v1(47.244,20.316) 47.244,21.7 R53.1@47.973,22.428 ; U9.8@48.196,16.225 48.196,15.914 v1(48.438,15.672) 48.438,14.298 48.847,13.889 57.057,13.889 v1(57.594,14.425)
  Bottom Layer w0.152: v1(47.244,20.316) 47.244,19.938 48.006,19.176 48.006,16.104 v1(48.438,15.672) ; v1(57.594,14.425) 57.953,14.785 SB26.1@57.953,15.674
NetR54_1: R54.1 SB27.1 U9.12 | length 30.3
  Top Layer w0.152: R54.1@38.524,15.223 38.543,15.223 v1(39.406,16.086) ; v1(45.224,16.686) 45.224,15.317 46.961,13.58 58.147,13.58 v1(58.841,14.275) ; U9.12@48.421,18.05 48.719,18.05 48.895,18.226 v1(48.895,18.618)
  Mid-Layer 2 w0.152: v1(39.406,16.086) 39.706,16.386 44.847,16.386 45.147,16.686 46.963,16.686 v1(48.895,18.618)
  Bottom Layer w0.152: v1(58.841,14.275) 59.412,14.846 SB27.1@59.412,15.674
NetR55_1: R55.1 SB36.1 | length 1.1
  Top Layer w0.203: R55.1@28.396,14.101 29.063,13.434 SB36.1@29.063,13.273
NetR56_1: R56.1 SB25.1 U8.8 | length 26.1
  Top Layer w0.152: v1(50.317,21.031) 51.038,20.31 U8.8@51.038,18.675 ; R56.1@52.087,28.397 52.502,27.983 v1(52.502,27.254) 52.502,27.127 54.483,25.146 57.495,25.146 v1(57.767,24.874)
  Bottom Layer w0.152: v1(50.317,21.031) 50.914,21.628 50.914,21.984 51.562,22.631 51.562,26.314 v1(52.502,27.254) ; v1(57.767,24.874) 64.777,24.874 65.227,25.324 SB25.1@65.227,26.382
NetR57_1: R57.1 SB29.1 | length 0.8
  Top Layer w0.508: R57.1@26.266,15.806 SB29.1@26.266,16.655
NetR58_1: R58.1 SB23.1 U8.12 | length 35.8
  Top Layer w0.152: R58.1@47.973,28.397 48.63,27.74 48.63,26.338 49.085,25.883 50.117,25.883 v1(50.317,26.083) 53.115,26.083 54.636,24.562 v1(56.566,24.562) ; v1(50.224,16.51) 50.564,16.85 U8.12@50.813,16.85
  Bottom Layer w0.152: v1(50.224,16.51) 50.216,16.51 50.698,16.993 50.698,19.892 49.784,20.807 49.784,23.241 50.317,23.774 v1(50.317,26.083) ; v1(56.566,24.562) 56.566,24.158 57.292,23.431 64.262,23.431 66.714,25.883 67.7,25.883 SB23.1@68.199,26.382
NetR59_1: R59.1 SB20.1 U9.16 | length 36.2
  Top Layer w0.152: R59.1@35.129,15.223 35.145,15.223 v1(35.712,14.656) ; v1(45.212,13.716) 45.974,12.954 59.752,12.954 v1(60.035,13.237) ; v1(46.567,18.679) 46.571,18.675 U9.16@46.996,18.675
  Bottom Layer w0.152: v1(35.712,14.656) 37.694,12.675 44.196,12.675 45.796,14.275 45.796,16.18 46.564,16.948 v1@46.564,18.675 ; v1(60.035,13.237) 62.331,15.533 SB20.1@62.331,15.674
NetSB30_2: SB30.2 U6.4 | length 3.1
  Top Layer w0.152: U6.4@47.628,46.797 48.01,46.797 48.438,47.225 48.438,47.897 48.116,48.218 47.97,48.218 47.826,48.362 SB30.2@47.826,48.991
NetSB41_1: SB41.1 U10.5 | length 2.8
  Top Layer w0.152: SB41.1@41.275,14.435 41.275,15.215 42.285,16.225 U10.5@42.904,16.225
NetSB44_1: SB44.1 U10.9 | length 3.1
  Top Layer w0.152: SB44.1@43.866,14.409 44,14.409 44.105,14.514 44.642,15.051 44.642,16.756 44.549,16.85 U10.9@44.329,16.85
NetSB45_1: SB45.1 U10.7 | length 7.1
  Top Layer w0.152: SB45.1@38.895,17.755 38.92,17.78 39.069,17.78 v1(39.446,17.78) ; U10.7@43.704,16.225 43.704,15.529 v1(43.79,15.443)
  Bottom Layer w0.152: v1(39.446,17.78) 39.446,17.069 39.903,16.612 42.621,16.612 v1(43.79,15.443)
NetU2_B30: U2.B30 X3.3 | length 4.3
  Top Layer w0.125: U2.B30@32.124,30.73 32.124,31.304 32.491,31.671 34.275,31.671 34.675,32.07 35.103,32.07 X3.3@35.4,32.367
NetU2_C31: U2.C31 X3.1 | length 4.8
  Top Layer w0.125: U2.C31@32.524,30.53 33.372,31.378 34.381,31.378 34.622,31.619 35.898,31.619 X3.1@36.567,30.95
NetU11_B2: U11.B2 U12.4 | length 6.8
  Top Layer w0.152: U11.B2@12.113,13.567 v1(12.725,12.954) ; v1(13.995,14.224) 13.995,13.699 15.038,12.657 16.213,12.657 16.619,13.063 U12.4@16.619,13.47
  Bottom Layer w0.152: v1(12.725,12.954) v1(13.995,14.224)
NFC1: C42.1 P23.2 R25.1 | length 18.5
  Top Layer w0.152: R25.1@68.152,24.602 68.254,24.602 69.107,23.749 C42.1@69.156,23.749 69.444,23.462 69.444,9.931 68.758,9.246 68.758,8.306 68.394,7.942 P23.2@68.394,7.163
NFC2: C43.2 P23.4 R26.1 | length 18.5
  Top Layer w0.152: P23.4@69.394,7.163 69.394,7.974 69.063,8.306 69.063,9.119 69.748,9.805 69.748,23.462 C43.2@70.036,23.749 70.077,23.749 70.93,24.602 R26.1@71.032,24.602
P0.02: P4.8 P10.8 P16.16 U1.4 | length 97.1
  Top Layer w0.152: v1(56.159,27.28) 57.687,27.28 59.744,29.337 70.891,29.337 71.806,28.423 75.718,28.423 76.098,28.803 76.098,30.578 78.256,32.735 78.27,32.735 78.746,33.211 U1.4@79.41,33.211
  Top Layer w0.381: P4.8@23.876,54.405 v1(23.876,55.87) P4.8@23.876,57.335 P16.16@23.876,59.68
  Bottom Layer w0.152: P10.8@23.876,54.405 23.876,53.848 27.889,49.835 41.353,49.835 41.657,49.53 57.854,49.53 59.03,48.354 59.03,45.695 ; v1(56.159,27.28) 56.286,27.407 56.286,35.179 56.744,35.636 56.744,38.447 59.03,40.733 59.03,46.255
  Bottom Layer w0.381: P10.8@23.876,53.838 v1(23.876,55.87) P10.8@23.876,57.335
P0.03: P2.1 P8.1 P14.2 U1.5 | length 55.5
  Top Layer w0.152: v1(56.718,26.746) 57.584,26.746 59.87,29.032 70.745,29.032 71.659,28.118 75.845,28.118 76.403,28.676 76.403,30.452 78.382,32.43 78.397,32.43 78.778,32.811 U1.5@79.41,32.811
  Top Layer w0.381: P14.2@50.8,3.8 P2.1@50.8,6.145 v1(50.8,7.61) P2.1@50.8,9.075
  Bottom Layer w0.152: P8.1@50.8,9.667 51.568,10.435 51.939,10.435 54.966,13.461 54.966,24.638 56.718,26.391 v1(56.718,26.746)
  Bottom Layer w0.381: P8.1@50.8,6.145 v1(50.8,7.61) P8.1@50.8,9.667
P0.04: P2.2 P8.2 P14.4 U1.6 | length 53.7
  Top Layer w0.152: v1(57.277,26.213) 57.482,26.213 59.996,28.727 70.618,28.727 71.532,27.813 75.972,27.813 76.708,28.549 76.708,30.325 78.508,32.126 78.524,32.126 78.809,32.411 U1.6@79.41,32.411
  Top Layer w0.381: P14.4@53.34,3.8 P2.2@53.34,6.145 v1(53.34,7.61) P2.2@53.34,9.075
  Bottom Layer w0.152: P8.2@53.34,9.075 53.34,11.405 55.27,13.335 55.27,24.512 56.971,26.213 v1(57.277,26.213)
  Bottom Layer w0.381: P8.2@53.34,6.145 v1(53.34,7.61) P8.2@53.34,9.075
P0.05: SB13.2 SB22.2 U1.7 | length 35.5
  Top Layer w0.152: v1(69.672,28.194) 70.358,27.508 76.099,27.508 77.013,28.422 77.013,30.199 78.635,31.821 78.654,31.821 78.844,32.011 U1.7@79.41,32.011 ; v1(71.526,48.046) SB13.2@71.526,48.58 71.526,48.88
  Bottom Layer w0.152: SB22.2@69.685,27.058 69.672,27.071 v1(69.672,28.194) 70.561,29.083 70.561,47.081 v1(71.526,48.046)
P0.06: SB14.2 SB23.2 U1.8 | length 36.5
  Top Layer w0.152: v1(68.91,28.194) 69.901,27.203 76.226,27.203 77.318,28.295 77.318,30.073 78.761,31.516 78.78,31.516 78.875,31.611 U1.8@79.41,31.611 ; v1(70.256,48.046) SB14.2@70.256,48.58 70.256,48.88
  Bottom Layer w0.152: SB23.2@68.199,27.058 68.199,27.483 v1(68.91,28.194) 70.256,29.54 v1(70.256,48.046)
P0.08: SB16.2 SB25.2 U1.10 | length 40.8
  Top Layer w0.152: v1(67.386,28.194) 68.986,26.594 76.48,26.594 77.927,28.041 77.927,29.801 78.937,30.811 U1.10@79.41,30.811 ; v1(67.716,48.046) SB16.2@67.716,48.58 67.716,48.88
  Bottom Layer w0.152: SB25.2@65.227,27.058 65.82,27.65 66.843,27.65 v1(67.386,28.194) 68.403,29.211 68.855,29.211 69.647,30.003 69.647,44.933 67.716,46.863 v1(67.716,48.046)
P0.09/NFC1: R25.2 R27.2 U1.11 | length 14.2
  Top Layer w0.152: R25.2@69.156,24.613 69.156,25.492 69.953,26.289 76.624,26.289 78.232,27.897 78.232,29.675 78.968,30.411 U1.11@79.41,30.411
P0.10/NFC2: R26.2 R28.2 U1.12 | length 13.2
  Top Layer w0.152: R26.2@70.036,24.613 70.036,25.506 70.514,25.984 76.75,25.984 78.537,27.771 78.537,29.549 78.999,30.011 U1.12@79.41,30.011
P0.26: C53.1 P4.9 P10.9 P16.18 U1.38 U6.12 | length 94.1
  Top Layer w0.152: P4.9@21.336,53.838 23.053,52.121 45.938,52.121 46.167,51.892 47.283,51.892 47.512,52.121 57.421,52.121 62.654,46.888 76.81,46.888 77.456,46.242 v1(77.456,45.48) ; v1(45.241,45.597) U6.12@45.978,45.597 ; U1.38@84.235,35.236 84.235,35.745 84.086,35.894 C53.1@84.086,36.309 83.502,36.893 83.502,38.35 85.203,40.052 v1(85.203,41.365)
  Top Layer w0.381: P4.9@21.336,53.838 v1(21.336,55.87) P4.9@21.336,57.335 P16.18@21.336,59.68
  Mid-Layer 2 w0.152: v1(45.241,45.597) 46.312,46.668 46.312,51.468 v1(46.736,51.892)
  Bottom Layer w0.152: v1(77.456,45.48) 77.456,43.956 79.336,42.076 84.492,42.076 v1(85.203,41.365)
  Bottom Layer w0.381: P10.9@21.336,54.405 v1(21.336,55.87) P10.9@21.336,57.335
P0.27: P4.10 P10.10 P16.20 U1.39 U6.8 | length 92.1
  Top Layer w0.152: P4.10@18.796,53.838 20.818,51.816 45.745,51.816 46.203,51.359 ; U6.8@46.203,47.422 46.203,51.359 ; v1(76.923,44.921) 76.923,46.14 76.479,46.584 62.527,46.584 57.295,51.816 47.657,51.816 47.2,51.359 46.203,51.359 ; U1.39@83.835,35.236 83.835,35.686 83.197,36.324 83.197,38.477 84.67,39.95 v1(84.67,40.806)
  Top Layer w0.381: P4.10@18.796,53.838 v1(18.796,55.87) P4.10@18.796,57.335 P16.20@18.796,59.68
  Bottom Layer w0.152: v1(76.923,44.921) 76.923,44.058 79.21,41.771 83.849,41.771 84.67,40.95 v1(84.67,40.806)
  Bottom Layer w0.381: P10.10@18.796,54.405 v1(18.796,55.87) P10.10@18.796,57.335
P0.28: P2.3 P8.3 P14.6 U1.40 | length 72.3
  Top Layer w0.152: U1.40@83.435,35.236 83.435,35.655 82.892,36.198 82.892,38.603 84.137,39.848 v1(84.137,40.247)
  Top Layer w0.381: P14.6@55.88,3.8 P2.3@55.88,6.145 v1(55.88,7.61) P2.3@55.88,9.075
  Bottom Layer w0.152: P8.3@55.88,9.075 55.88,9.652 56.972,10.744 61.18,10.744 61.976,11.54 61.976,14.275 64.897,17.196 72.973,17.196 74.651,18.874 74.651,22.475 73.508,23.618 73.508,26.435 71.78,28.163 71.78,35.357 74.955,38.532 79.367,38.532 82.302,41.466 83.723,41.466 84.111,41.078 84.111,40.273 v1(84.137,40.247)
  Bottom Layer w0.381: P8.3@55.88,6.145 v1(55.88,7.61) P8.3@55.88,9.075
P0.29: P2.4 P8.4 P14.8 U1.41 | length 68.3
  Top Layer w0.152: U1.41@83.035,35.236 83.035,35.624 82.587,36.072 82.587,38.729 83.578,39.72 v1@83.578,40.781
  Top Layer w0.381: P14.8@58.42,3.8 P2.4@58.42,6.145 v1(58.42,7.61) P2.4@58.42,9.075
  Bottom Layer w0.152: P8.4@58.42,9.642 59.218,10.439 61.307,10.439 62.281,11.413 62.281,14.148 65.024,16.891 73.099,16.891 74.955,18.747 74.955,22.601 73.812,23.744 73.812,26.562 72.085,28.289 72.085,35.228 75.084,38.227 79.494,38.227 82.123,40.857 v1(83.578,40.857)
  Bottom Layer w0.381: P8.4@58.42,6.145 v1(58.42,7.61) P8.4@58.42,9.642
P0.30: P2.5 P8.5 P14.10 U1.42 | length 64.4
  Top Layer w0.152: U1.42@82.635,35.236 82.635,35.593 82.282,35.946 82.282,38.856 83.019,39.592 v1(83.019,40.323) v1@83.019,40.349
  Top Layer w0.381: P14.10@60.96,3.8 P2.5@60.96,6.145 v1(60.96,7.61) P2.5@60.96,9.075
  Bottom Layer w0.152: P8.5@60.96,9.642 62.586,11.267 62.586,14.022 65.15,16.586 73.225,16.586 75.26,18.621 75.26,22.727 74.117,23.87 74.117,26.688 72.39,28.415 72.39,35.102 75.21,37.922 79.62,37.922 82.021,40.323 v1(83.019,40.323)
  Bottom Layer w0.381: P8.5@60.96,6.145 v1(60.96,7.61) P8.5@60.96,9.642
P0.31: P2.6 P8.6 P14.12 U1.43 | length 62.1
  Top Layer w0.152: U1.43@82.235,35.236 82.235,35.562 81.978,35.819 81.978,38.982 82.46,39.464 v1(82.46,39.79)
  Top Layer w0.381: P14.12@63.5,3.8 P2.6@63.5,6.145 v1(63.5,7.61) P2.6@63.5,9.075
  Bottom Layer w0.152: P8.6@63.5,9.075 63.5,9.642 62.89,10.251 62.89,13.895 65.277,16.281 73.351,16.281 75.565,18.495 75.565,22.853 74.422,23.996 74.422,26.814 72.695,28.541 72.695,34.976 75.336,37.617 79.746,37.617 81.919,39.79 v1(82.46,39.79)
  Bottom Layer w0.381: P8.6@63.5,6.145 v1(63.5,7.61) P8.6@63.5,9.075
RESET: P19.10 R15.2 | length 47.1
  Top Layer w0.152: P19.10@1.936,57.165 2.24,56.861 3.062,56.861 4.039,55.885 4.039,42.66 5.919,40.779 27.582,40.779 27.935,40.426 ; 27.935,40.427 31.622,36.74 R15.2@31.622,35.501
RF: C13.1 J1.1 L1.2 | length 1.6
  Top Layer w0.508: C13.1@89.405,31.703 C13.1@89.408,31.706
  Top Layer w0.762: L1.2@88.498,31.703 C13.1@89.405,31.703
  Top Layer w1.143: 90.014,31.703 90.7,31.703
SCL_EXT: R30.1 U6.9 U7.12 | length 10.1
  Top Layer w0.152: v1(45.241,46.797) U6.9@45.978,46.797 ; R30.1@51.214,46.756 v1(51.865,46.756) 51.865,46.431 52.668,45.628 U7.12@53.275,45.628
  Bottom Layer w0.152: v1(45.241,46.797) 45.282,46.756 v1(51.865,46.756)
SDA_EXT: R29.1 U6.13 U7.13 | length 10.1
  Top Layer w0.152: v1(45.241,44.835) U6.13@46.206,44.835 ; R29.1@51.214,45.867 v1(51.214,45.206) 51.417,45.003 U7.13@53.5,45.003
  Bottom Layer w0.152: v1(45.241,44.835) 50.843,44.835 v1(51.214,45.206)
SELECT: P19.3 U2.B24 | length 48.9
  Top Layer w0.152: P19.3@5.836,53.355 5.532,53.051 4.706,53.051 4.316,52.661 4.316,42.774 6.019,41.071 27.683,41.071 32.284,36.47 v1(32.284,34.44)
  Mid-Layer 1 w0.152: v2(30.924,30.73) 30.924,32.474 31.38,32.929 31.956,32.929 32.284,33.257 v1(32.284,34.44)